# Altium PCB top_INA2180.PcbDoc (part 4 of 5)
Units mil, origin at the board's own origin, x right, y up, seen from the top; angles counter-clockwise.
Board outline 10480 x 5830 mil, 2 copper layers (Top Layer, Bottom Layer); 635 components, 633 nets, 1722 pads, 292 vias.
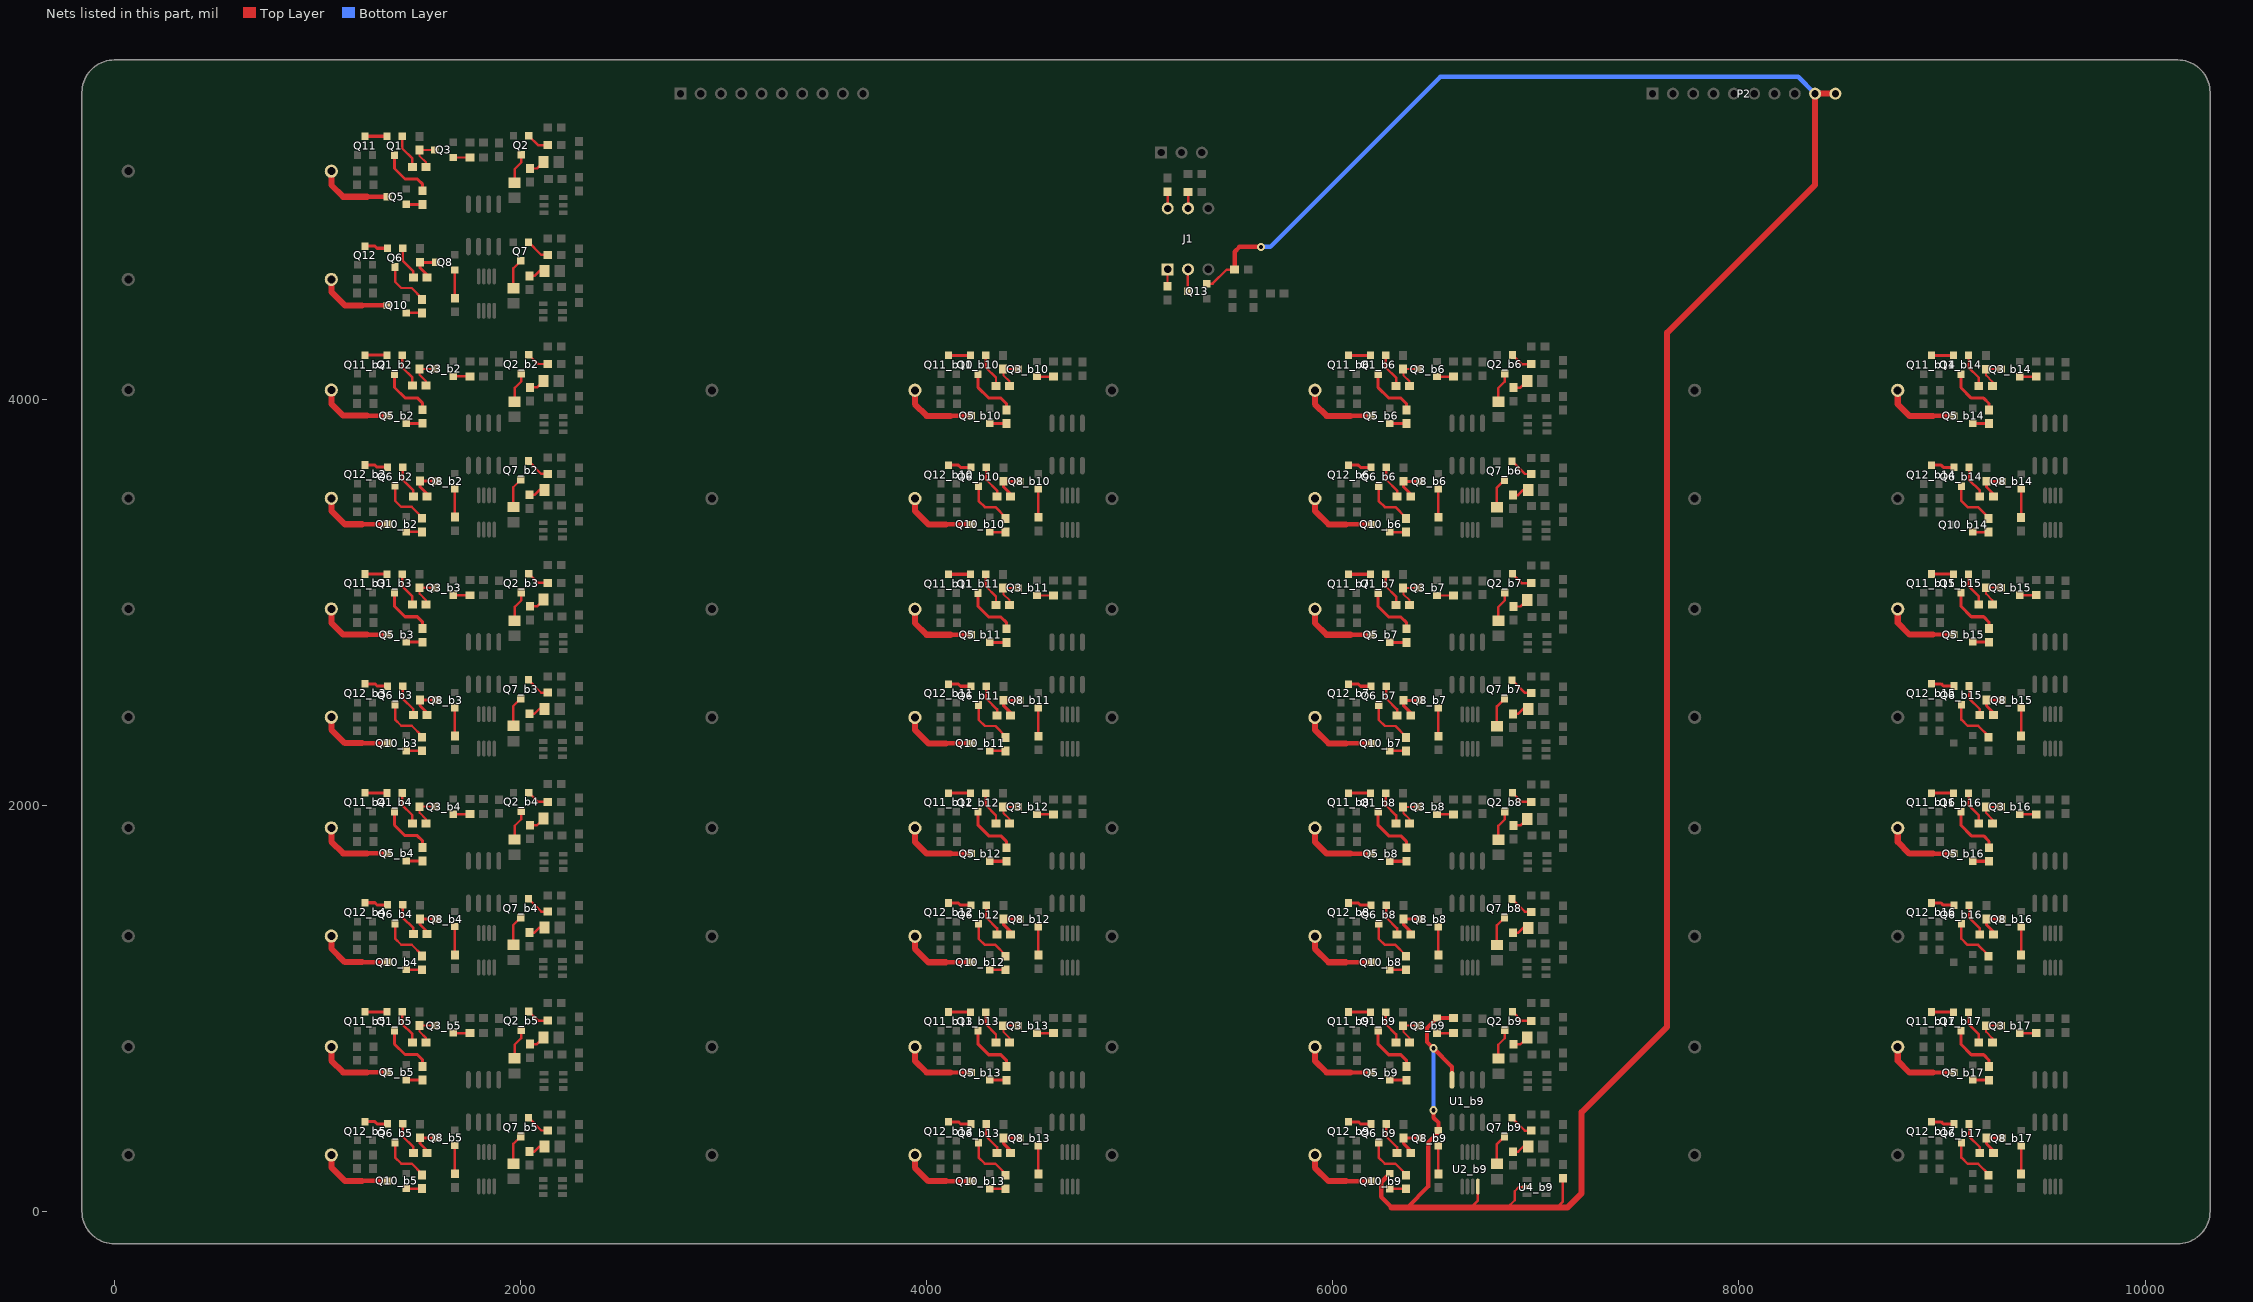
[diagram p4: the nets of this part, all layers, seen from the top]

## Via types
v1: diameter 20, hole 10, Top Layer to Bottom Layer, 235 vias
v2: diameter 40, hole 20, Top Layer to Bottom Layer, 53 vias
v3: diameter 125.98, hole 125.98, Top Layer to Bottom Layer, 4 vias

## Nets (pads, with @x,y where several pads share a name; then routed paths per layer and width w, separated by ;. In a path a pad name is that pad's centre, name@x,y a point inside that pad or via, vN(x,y) a via of type N, cw(c..) or ccw(c..) an arc to the next point about the centre after c; other vN are vias at no path point) (continued)
IN_C8: P2.9 P2.10 Q3_b9.2 Q8_b9.2 Q10_b9.2 Q13.2 R12_b9.1 R24_b9.1 R28.1 U1_b9.4 U2_b9.4 U4_b9.2 | length 12409.3
  Top Layer w12: Q13.2@5378.25,4568.48 5408.39,4568.48 5476.99,4637.07 R28.1@5516.53,4637.07 ; 6680.79,19.54 6714.24,53 U2_b9.4@6714.24,121.96 ; 6861,19.54 6896,54.54 6896,99 6916,119 U4_b9.2@6955.76,119 ; 7104.17,19.54 7132.86,48.22 R24_b9.1@7132.86,163.14
  Top Layer w20: 6370.86,22.14 6469.86,121.14 6469.86,338.17 6520.12,388.43 Q8_b9.2@6520.12,398.01 6520.12,436.35 6495.72,460.74 v2(6495.72,497.61) ; U1_b9.4@6586.86,647.1 6586.86,711.88 v2(6495.72,803.01) 6464.72,834.01 6464.72,903.15 Q3_b9.2@6512.98,951.41 R12_b9.1@6593.86,951.41
  Top Layer w22: R28.1@5516.53,4637.07 5516.53,4725.61 5539.99,4749.07 v2(5645.99,4749.07) ; Q10_b9.2@6281.12,186.01 6237.86,142.75 6237.86,70.61 6288.93,19.54
  Top Layer w30: 6288.93,19.54 6680.79,19.54 6861,19.54 7104.17,19.54 7155.99,19.54 7225,88.55 7225,488.08 7645.99,909.07 7645.99,4326.7 8374.99,5055.7 8374.99,5504.07 P2.10@8474.99,5504.07
  Bottom Layer w20: v2(6495.72,497.61) v2(6495.72,803.01)
  Bottom Layer w22: v2(5645.99,4749.07) 5691.99,4749.07 6529.99,5587.07 8291.99,5587.07 P2.9@8374.99,5504.07
NetD1_1: D1.1 Q2.3 | length 151.6
  Top Layer w12: D1.1@1971,5065.4 1971,5133 2003,5165 Q2.3@2003,5203.74
NetD1_b2_1: D1_b2.1 Q2_b2.3 | length 151.6
  Top Layer w12: D1_b2.1@1971.01,3987.33 1971.01,4054.93 2003.01,4086.93 Q2_b2.3@2003.01,4125.67
NetD1_b3_1: D1_b3.1 Q2_b3.3 | length 151.6
  Top Layer w12: D1_b3.1@1971.01,2909.33 1971.01,2976.93 2003.01,3008.93 Q2_b3.3@2003.01,3047.67
NetD1_b4_1: D1_b4.1 Q2_b4.3 | length 151.6
  Top Layer w12: D1_b4.1@1971.01,1831.33 1971.01,1898.93 2003.01,1930.93 Q2_b4.3@2003.01,1969.67
NetD1_b5_1: D1_b5.1 Q2_b5.3 | length 151.6
  Top Layer w12: D1_b5.1@1971.01,753.33 1971.01,820.93 2003.01,852.93 Q2_b5.3@2003.01,891.67
NetD1_b6_1: D1_b6.1 Q2_b6.3 | length 151.6
  Top Layer w12: D1_b6.1@6815,3986.4 6815,4054 6847,4086 Q2_b6.3@6847,4124.74
NetD1_b7_1: D1_b7.1 Q2_b7.3 | length 151.6
  Top Layer w12: D1_b7.1@6815,2908.4 6815,2976 6847,3008 Q2_b7.3@6847,3046.74
NetD1_b8_1: D1_b8.1 Q2_b8.3 | length 151.6
  Top Layer w12: D1_b8.1@6815,1830.4 6815,1898 6847,1930 Q2_b8.3@6847,1968.74
NetD1_b9_1: D1_b9.1 Q2_b9.3 | length 151.6
  Top Layer w12: D1_b9.1@6815,752.4 6815,820 6847,852 Q2_b9.3@6847,890.74
NetD1_b10_1: 
NetD1_b11_1: 
NetD1_b12_1: 
NetD1_b13_1: 
NetD1_b14_1: 
NetD1_b15_1: 
NetD1_b16_1: 
NetD1_b17_1: 
NetD2_1: D2.1 Q7.3 | length 149.7
  Top Layer w12: D2.1@1964,4546.4 1964,4643.74 Q7.3@2001,4680.74
NetD2_b2_1: D2_b2.1 Q7_b2.3 | length 149.7
  Top Layer w12: D2_b2.1@1964.01,3468.33 1964.01,3565.67 Q7_b2.3@2001.01,3602.67
NetD2_b3_1: D2_b3.1 Q7_b3.3 | length 149.7
  Top Layer w12: D2_b3.1@1964.01,2390.33 1964.01,2487.67 Q7_b3.3@2001.01,2524.67
NetD2_b4_1: D2_b4.1 Q7_b4.3 | length 149.7
  Top Layer w12: D2_b4.1@1964.01,1312.33 1964.01,1409.67 Q7_b4.3@2001.01,1446.67
NetD2_b5_1: D2_b5.1 Q7_b5.3 | length 149.7
  Top Layer w12: D2_b5.1@1964.01,234.33 1964.01,331.67 Q7_b5.3@2001.01,368.67
NetD2_b6_1: D2_b6.1 Q7_b6.3 | length 149.7
  Top Layer w12: D2_b6.1@6808,3467.4 6808,3564.74 Q7_b6.3@6845,3601.74
NetD2_b7_1: D2_b7.1 Q7_b7.3 | length 149.7
  Top Layer w12: D2_b7.1@6808,2389.4 6808,2486.74 Q7_b7.3@6845,2523.74
NetD2_b8_1: D2_b8.1 Q7_b8.3 | length 149.7
  Top Layer w12: D2_b8.1@6808,1311.4 6808,1408.74 Q7_b8.3@6845,1445.74
NetD2_b9_1: D2_b9.1 Q7_b9.3 | length 149.7
  Top Layer w12: D2_b9.1@6808,233.4 6808,330.74 Q7_b9.3@6845,367.74
NetD2_b10_1: 
NetD2_b11_1: 
NetD2_b12_1: 
NetD2_b13_1: 
NetD2_b14_1: 
NetD2_b15_1: 
NetD2_b16_1: 
NetD2_b17_1: 
NetD3_1: D3.1 R52.2 | length 79.1
  Top Layer w12: R52.2@2047,5135.46 2080.06,5135.46 D3.1@2112.6,5168
NetD3_b2_1: D3_b2.1 R52_b2.2 | length 79.1
  Top Layer w12: R52_b2.2@2047.01,4057.39 2080.07,4057.39 D3_b2.1@2112.61,4089.93
NetD3_b3_1: D3_b3.1 R52_b3.2 | length 79.1
  Top Layer w12: R52_b3.2@2047.01,2979.39 2080.07,2979.39 D3_b3.1@2112.61,3011.93
NetD3_b4_1: D3_b4.1 R52_b4.2 | length 79.1
  Top Layer w12: R52_b4.2@2047.01,1901.39 2080.07,1901.39 D3_b4.1@2112.61,1933.93
NetD3_b5_1: D3_b5.1 R52_b5.2 | length 79.1
  Top Layer w12: R52_b5.2@2047.01,823.39 2080.07,823.39 D3_b5.1@2112.61,855.93
NetD3_b6_1: D3_b6.1 R52_b6.2 | length 79.1
  Top Layer w12: R52_b6.2@6891,4056.46 6924.06,4056.46 D3_b6.1@6956.6,4089
NetD3_b7_1: D3_b7.1 R52_b7.2 | length 79.1
  Top Layer w12: R52_b7.2@6891,2978.46 6924.06,2978.46 D3_b7.1@6956.6,3011
NetD3_b8_1: D3_b8.1 R52_b8.2 | length 79.1
  Top Layer w12: R52_b8.2@6891,1900.46 6924.06,1900.46 D3_b8.1@6956.6,1933
NetD3_b9_1: D3_b9.1 R52_b9.2 | length 79.1
  Top Layer w12: R52_b9.2@6891,822.46 6924.06,822.46 D3_b9.1@6956.6,855
NetD3_b10_1: 
NetD3_b11_1: 
NetD3_b12_1: 
NetD3_b13_1: 
NetD3_b14_1: 
NetD3_b15_1: 
NetD3_b16_1: 
NetD3_b17_1: 
NetD4_1: D4.1 R54.2 | length 83.8
  Top Layer w12: R54.2@2044,4606.46 2068.46,4606.46 2093,4631 D4.1@2117.6,4631
NetD4_b2_1: D4_b2.1 R54_b2.2 | length 83.8
  Top Layer w12: R54_b2.2@2044.01,3528.39 2068.47,3528.39 2093.01,3552.93 D4_b2.1@2117.61,3552.93
NetD4_b3_1: D4_b3.1 R54_b3.2 | length 83.8
  Top Layer w12: R54_b3.2@2044.01,2450.39 2068.47,2450.39 2093.01,2474.93 D4_b3.1@2117.61,2474.93
NetD4_b4_1: D4_b4.1 R54_b4.2 | length 83.8
  Top Layer w12: R54_b4.2@2044.01,1372.39 2068.47,1372.39 2093.01,1396.93 D4_b4.1@2117.61,1396.93
NetD4_b5_1: D4_b5.1 R54_b5.2 | length 83.8
  Top Layer w12: R54_b5.2@2044.01,294.39 2068.47,294.39 2093.01,318.93 D4_b5.1@2117.61,318.93
NetD4_b6_1: D4_b6.1 R54_b6.2 | length 83.8
  Top Layer w12: R54_b6.2@6888,3527.46 6912.46,3527.46 6937,3552 D4_b6.1@6961.6,3552
NetD4_b7_1: D4_b7.1 R54_b7.2 | length 83.8
  Top Layer w12: R54_b7.2@6888,2449.46 6912.46,2449.46 6937,2474 D4_b7.1@6961.6,2474
NetD4_b8_1: D4_b8.1 R54_b8.2 | length 83.8
  Top Layer w12: R54_b8.2@6888,1371.46 6912.46,1371.46 6937,1396 D4_b8.1@6961.6,1396
NetD4_b9_1: D4_b9.1 R54_b9.2 | length 83.8
  Top Layer w12: R54_b9.2@6888,293.46 6912.46,293.46 6937,318 D4_b9.1@6961.6,318
NetD4_b10_1: 
NetD4_b11_1: 
NetD4_b12_1: 
NetD4_b13_1: 
NetD4_b14_1: 
NetD4_b15_1: 
NetD4_b16_1: 
NetD4_b17_1: 
NetJ1_1: J1.1 R25.2 | length 82.5
  Top Layer w12: R25.2@5185.99,4555.54 J1.1@5185.99,4637.99
NetJ1_2: J1.2 Q13.3 | length 106.7
  Top Layer w12: Q13.3@5285.73,4531.07 J1.2@5285.73,4637.73
NetJ1_5: J1.5 R27.1 | length 80.5
  Top Layer w12: J1.5@5287,4939 R27.1@5287,5019.46
NetJ1_6: J1.6 R26.1 | length 82.5
  Top Layer w12: J1.6@5187,4939 R26.1@5187,5021.54
NetQ1_1: Q1.1 R35.2 | length 171.2
  Top Layer w12: Q1.1@1416.8,5294.33 1416.8,5235.14 1467.39,5184.54 R35.2@1467.39,5144.07
NetQ1_2: Q1.2 Q11.3 | length 107.7
  Top Layer w15: Q11.3@1234.25,5294.33 Q1.2@1341.99,5294.33
NetQ1_3: Q1.3 R11.2 | length 268.8
  Top Layer w15: Q1.3@1379.39,5201.81 1379.39,5135.54 1430.86,5084.07 1491.25,5084.07 1517.99,5057.33 R11.2@1517.99,5025.8
NetQ1_b2_1: Q1_b2.1 R35_b2.2 | length 171.2
  Top Layer w12: Q1_b2.1@1416.8,4216.26 1416.8,4157.06 1467.4,4106.46 R35_b2.2@1467.4,4066
NetQ1_b2_2: Q1_b2.2 Q11_b2.3 | length 107.7
  Top Layer w15: Q11_b2.3@1234.26,4216.26 Q1_b2.2@1342,4216.26
NetQ1_b2_3: Q1_b2.3 R11_b2.2 | length 268.8
  Top Layer w15: Q1_b2.3@1379.4,4123.74 1379.4,4057.46 1430.87,4006 1491.26,4006 1518,3979.26 R11_b2.2@1518,3947.72
NetQ1_b3_1: Q1_b3.1 R35_b3.2 | length 171.2
  Top Layer w12: Q1_b3.1@1416.8,3138.26 1416.8,3079.06 1467.4,3028.46 R35_b3.2@1467.4,2988
NetQ1_b3_2: Q1_b3.2 Q11_b3.3 | length 107.7
  Top Layer w15: Q11_b3.3@1234.26,3138.26 Q1_b3.2@1342,3138.26
NetQ1_b3_3: Q1_b3.3 R11_b3.2 | length 268.8
  Top Layer w15: Q1_b3.3@1379.4,3045.74 1379.4,2979.46 1430.87,2928 1491.26,2928 1518,2901.26 R11_b3.2@1518,2869.72
NetQ1_b4_1: Q1_b4.1 R35_b4.2 | length 171.2
  Top Layer w12: Q1_b4.1@1416.8,2060.26 1416.8,2001.06 1467.4,1950.46 R35_b4.2@1467.4,1910
NetQ1_b4_2: Q1_b4.2 Q11_b4.3 | length 107.7
  Top Layer w15: Q11_b4.3@1234.26,2060.26 Q1_b4.2@1342,2060.26
NetQ1_b4_3: Q1_b4.3 R11_b4.2 | length 268.8
  Top Layer w15: Q1_b4.3@1379.4,1967.74 1379.4,1901.46 1430.87,1850 1491.26,1850 1518,1823.26 R11_b4.2@1518,1791.72
NetQ1_b5_1: Q1_b5.1 R35_b5.2 | length 171.2
  Top Layer w12: Q1_b5.1@1416.8,982.26 1416.8,923.06 1467.4,872.46 R35_b5.2@1467.4,832
NetQ1_b5_2: Q1_b5.2 Q11_b5.3 | length 107.7
  Top Layer w15: Q11_b5.3@1234.26,982.26 Q1_b5.2@1342,982.26
NetQ1_b5_3: Q1_b5.3 R11_b5.2 | length 268.8
  Top Layer w15: Q1_b5.3@1379.4,889.74 1379.4,823.46 1430.87,772 1491.26,772 1518,745.26 R11_b5.2@1518,713.72
NetQ1_b6_1: Q1_b6.1 R35_b6.2 | length 171.2
  Top Layer w12: Q1_b6.1@6260.8,4215.33 6260.8,4156.14 6311.39,4105.54 R35_b6.2@6311.39,4065.07
NetQ1_b6_2: Q1_b6.2 Q11_b6.3 | length 107.7
  Top Layer w15: Q11_b6.3@6078.25,4215.33 Q1_b6.2@6185.99,4215.33
NetQ1_b6_3: Q1_b6.3 R11_b6.2 | length 268.8
  Top Layer w15: Q1_b6.3@6223.39,4122.81 6223.39,4056.54 6274.86,4005.07 6335.25,4005.07 6361.99,3978.33 R11_b6.2@6361.99,3946.8
NetQ1_b7_1: Q1_b7.1 R35_b7.2 | length 171.2
  Top Layer w12: Q1_b7.1@6260.8,3137.33 6260.8,3078.14 6311.39,3027.54 R35_b7.2@6311.39,2987.07
NetQ1_b7_2: Q1_b7.2 Q11_b7.3 | length 107.7
  Top Layer w15: Q11_b7.3@6078.25,3137.33 Q1_b7.2@6185.99,3137.33
NetQ1_b7_3: Q1_b7.3 R11_b7.2 | length 268.8
  Top Layer w15: Q1_b7.3@6223.39,3044.81 6223.39,2978.54 6274.86,2927.07 6335.25,2927.07 6361.99,2900.33 R11_b7.2@6361.99,2868.8
NetQ1_b8_1: Q1_b8.1 R35_b8.2 | length 171.2
  Top Layer w12: Q1_b8.1@6260.8,2059.33 6260.8,2000.14 6311.39,1949.54 R35_b8.2@6311.39,1909.07
NetQ1_b8_2: Q1_b8.2 Q11_b8.3 | length 107.7
  Top Layer w15: Q11_b8.3@6078.25,2059.33 Q1_b8.2@6185.99,2059.33
NetQ1_b8_3: Q1_b8.3 R11_b8.2 | length 268.8
  Top Layer w15: Q1_b8.3@6223.39,1966.81 6223.39,1900.54 6274.86,1849.07 6335.25,1849.07 6361.99,1822.33 R11_b8.2@6361.99,1790.8
NetQ1_b9_1: Q1_b9.1 R35_b9.2 | length 171.2
  Top Layer w12: Q1_b9.1@6260.8,981.33 6260.8,922.14 6311.39,871.54 R35_b9.2@6311.39,831.07
NetQ1_b9_2: Q1_b9.2 Q11_b9.3 | length 107.7
  Top Layer w15: Q11_b9.3@6078.25,981.33 Q1_b9.2@6185.99,981.33
NetQ1_b9_3: Q1_b9.3 R11_b9.2 | length 268.8
  Top Layer w15: Q1_b9.3@6223.39,888.81 6223.39,822.54 6274.86,771.07 6335.25,771.07 6361.99,744.33 R11_b9.2@6361.99,712.8
NetQ1_b10_1: Q1_b10.1 R35_b10.2 | length 171.2
  Top Layer w12: Q1_b10.1@4290.8,4215.33 4290.8,4156.14 4341.39,4105.54 R35_b10.2@4341.39,4065.07
NetQ1_b10_2: Q1_b10.2 Q11_b10.3 | length 107.7
  Top Layer w15: Q11_b10.3@4108.25,4215.33 Q1_b10.2@4215.99,4215.33
NetQ1_b10_3: Q1_b10.3 R11_b10.2 | length 268.8
  Top Layer w15: Q1_b10.3@4253.39,4122.81 4253.39,4056.54 4304.86,4005.07 4365.25,4005.07 4391.99,3978.33 R11_b10.2@4391.99,3946.8
NetQ1_b11_1: Q1_b11.1 R35_b11.2 | length 171.2
  Top Layer w12: Q1_b11.1@4290.8,3137.33 4290.8,3078.14 4341.39,3027.54 R35_b11.2@4341.39,2987.07
NetQ1_b11_2: Q1_b11.2 Q11_b11.3 | length 107.7
  Top Layer w15: Q11_b11.3@4108.25,3137.33 Q1_b11.2@4215.99,3137.33
NetQ1_b11_3: Q1_b11.3 R11_b11.2 | length 268.8
  Top Layer w15: Q1_b11.3@4253.39,3044.81 4253.39,2978.54 4304.86,2927.07 4365.25,2927.07 4391.99,2900.33 R11_b11.2@4391.99,2868.8
NetQ1_b12_1: Q1_b12.1 R35_b12.2 | length 171.2
  Top Layer w12: Q1_b12.1@4290.8,2059.33 4290.8,2000.14 4341.39,1949.54 R35_b12.2@4341.39,1909.07
NetQ1_b12_2: Q1_b12.2 Q11_b12.3 | length 107.7
  Top Layer w15: Q11_b12.3@4108.25,2059.33 Q1_b12.2@4215.99,2059.33
NetQ1_b12_3: Q1_b12.3 R11_b12.2 | length 268.8
  Top Layer w15: Q1_b12.3@4253.39,1966.81 4253.39,1900.54 4304.86,1849.07 4365.25,1849.07 4391.99,1822.33 R11_b12.2@4391.99,1790.8
NetQ1_b13_1: Q1_b13.1 R35_b13.2 | length 171.2
  Top Layer w12: Q1_b13.1@4290.8,981.33 4290.8,922.14 4341.39,871.54 R35_b13.2@4341.39,831.07
NetQ1_b13_2: Q1_b13.2 Q11_b13.3 | length 107.7
  Top Layer w15: Q11_b13.3@4108.25,981.33 Q1_b13.2@4215.99,981.33
NetQ1_b13_3: Q1_b13.3 R11_b13.2 | length 268.8
  Top Layer w15: Q1_b13.3@4253.39,888.81 4253.39,822.54 4304.86,771.07 4365.25,771.07 4391.99,744.33 R11_b13.2@4391.99,712.8
NetQ1_b14_1: Q1_b14.1 R35_b14.2 | length 171.2
  Top Layer w12: Q1_b14.1@9130.8,4215.07 9130.8,4155.88 9181.39,4105.28 R35_b14.2@9181.39,4064.81
NetQ1_b14_2: Q1_b14.2 Q11_b14.3 | length 107.7
  Top Layer w15: Q11_b14.3@8948.25,4215.07 Q1_b14.2@9055.99,4215.07
NetQ1_b14_3: Q1_b14.3 R11_b14.2 | length 268.8
  Top Layer w15: Q1_b14.3@9093.39,4122.55 9093.39,4056.28 9144.86,4004.81 9205.25,4004.81 9231.99,3978.07 R11_b14.2@9231.99,3946.54
NetQ1_b15_1: Q1_b15.1 R35_b15.2 | length 171.2
  Top Layer w12: Q1_b15.1@9130.8,3138.33 9130.8,3079.14 9181.39,3028.54 R35_b15.2@9181.39,2988.07
NetQ1_b15_2: Q1_b15.2 Q11_b15.3 | length 107.7
  Top Layer w15: Q11_b15.3@8948.25,3138.33 Q1_b15.2@9055.99,3138.33
NetQ1_b15_3: Q1_b15.3 R11_b15.2 | length 268.8
  Top Layer w15: Q1_b15.3@9093.39,3045.81 9093.39,2979.54 9144.86,2928.07 9205.25,2928.07 9231.99,2901.33 R11_b15.2@9231.99,2869.8
NetQ1_b16_1: Q1_b16.1 R35_b16.2 | length 171.2
  Top Layer w12: Q1_b16.1@9130.8,2059.33 9130.8,2000.14 9181.39,1949.54 R35_b16.2@9181.39,1909.07
NetQ1_b16_2: Q1_b16.2 Q11_b16.3 | length 107.7
  Top Layer w15: Q11_b16.3@8948.25,2059.33 Q1_b16.2@9055.99,2059.33
NetQ1_b16_3: Q1_b16.3 R11_b16.2 | length 268.8
  Top Layer w15: Q1_b16.3@9093.39,1966.81 9093.39,1900.54 9144.86,1849.07 9205.25,1849.07 9231.99,1822.33 R11_b16.2@9231.99,1790.8
NetQ1_b17_1: Q1_b17.1 R35_b17.2 | length 171.2
  Top Layer w12: Q1_b17.1@9130.8,981.33 9130.8,922.14 9181.39,871.54 R35_b17.2@9181.39,831.07
NetQ1_b17_2: Q1_b17.2 Q11_b17.3 | length 107.7
  Top Layer w15: Q11_b17.3@8948.25,981.33 Q1_b17.2@9055.99,981.33
NetQ1_b17_3: Q1_b17.3 R11_b17.2 | length 268.8
  Top Layer w15: Q1_b17.3@9093.39,888.81 9093.39,822.54 9144.86,771.07 9205.25,771.07 9231.99,744.33 R11_b17.2@9231.99,712.8
NetQ2_1: Q2.1 R32.2 | length 111.9
  Top Layer w12: Q2.1@2040.4,5296.26 2085.66,5251 R32.2@2133.54,5251
NetQ2_b2_1: Q2_b2.1 R32_b2.2 | length 111.9
  Top Layer w12: Q2_b2.1@2040.41,4218.19 2085.67,4172.93 R32_b2.2@2133.54,4172.93
NetQ2_b3_1: Q2_b3.1 R32_b3.2 | length 111.9
  Top Layer w12: Q2_b3.1@2040.41,3140.19 2085.67,3094.93 R32_b3.2@2133.54,3094.93
NetQ2_b4_1: Q2_b4.1 R32_b4.2 | length 111.9
  Top Layer w12: Q2_b4.1@2040.41,2062.19 2085.67,2016.93 R32_b4.2@2133.54,2016.93
NetQ2_b5_1: Q2_b5.1 R32_b5.2 | length 111.9
  Top Layer w12: Q2_b5.1@2040.41,984.19 2085.67,938.93 R32_b5.2@2133.54,938.93
NetQ2_b6_1: Q2_b6.1 R32_b6.2 | length 111.9
  Top Layer w12: Q2_b6.1@6884.4,4217.26 6929.66,4172 R32_b6.2@6977.54,4172
NetQ2_b7_1: Q2_b7.1 R32_b7.2 | length 111.9
  Top Layer w12: Q2_b7.1@6884.4,3139.26 6929.66,3094 R32_b7.2@6977.54,3094
NetQ2_b8_1: Q2_b8.1 R32_b8.2 | length 111.9
  Top Layer w12: Q2_b8.1@6884.4,2061.26 6929.66,2016 R32_b8.2@6977.54,2016
NetQ2_b9_1: Q2_b9.1 R32_b9.2 | length 111.9
  Top Layer w12: Q2_b9.1@6884.4,983.26 6929.66,938 R32_b9.2@6977.54,938
NetQ2_b10_1: 
NetQ2_b11_1: 
NetQ2_b12_1: 
NetQ2_b13_1: 
NetQ2_b14_1: 
NetQ2_b15_1: 
NetQ2_b16_1: 
NetQ2_b17_1: 
NetQ3_1: Q3.1 R10.1 | length 80.9
  Top Layer w12: Q3.1@1668.98,5189.61 R10.1@1749.86,5189.61
NetQ3_3: Q3.3 R6.1 R35.1 | length 169
  Top Layer w10: R35.1@1534.32,5144.07 1534.32,5165.61 1503.26,5196.67 1503.26,5227.01 Q3.3@1576.46,5227.01
NetQ3_b2_1: Q3_b2.1 R10_b2.1 | length 80.9
  Top Layer w12: Q3_b2.1@1668.99,4111.54 R10_b2.1@1749.87,4111.54
NetQ3_b2_3: Q3_b2.3 R6_b2.1 R35_b2.1 | length 169
  Top Layer w10: R35_b2.1@1534.33,4066 1534.33,4087.54 1503.27,4118.6 1503.27,4148.94 Q3_b2.3@1576.47,4148.94
NetQ3_b3_1: Q3_b3.1 R10_b3.1 | length 80.9
  Top Layer w12: Q3_b3.1@1668.99,3033.54 R10_b3.1@1749.87,3033.54
NetQ3_b3_3: Q3_b3.3 R6_b3.1 R35_b3.1 | length 169
  Top Layer w10: R35_b3.1@1534.33,2988 1534.33,3009.54 1503.27,3040.6 1503.27,3070.94 Q3_b3.3@1576.47,3070.94
NetQ3_b4_1: Q3_b4.1 R10_b4.1 | length 80.9
  Top Layer w12: Q3_b4.1@1668.99,1955.54 R10_b4.1@1749.87,1955.54
NetQ3_b4_3: Q3_b4.3 R6_b4.1 R35_b4.1 | length 169
  Top Layer w10: R35_b4.1@1534.33,1910 1534.33,1931.54 1503.27,1962.6 1503.27,1992.94 Q3_b4.3@1576.47,1992.94
NetQ3_b5_1: Q3_b5.1 R10_b5.1 | length 80.9
  Top Layer w12: Q3_b5.1@1668.99,877.54 R10_b5.1@1749.87,877.54
NetQ3_b5_3: Q3_b5.3 R6_b5.1 R35_b5.1 | length 169
  Top Layer w10: R35_b5.1@1534.33,832 1534.33,853.54 1503.27,884.6 1503.27,914.94 Q3_b5.3@1576.47,914.94
NetQ3_b6_1: Q3_b6.1 R10_b6.1 | length 80.9
  Top Layer w12: Q3_b6.1@6512.98,4110.61 R10_b6.1@6593.86,4110.61
NetQ3_b6_3: Q3_b6.3 R6_b6.1 R35_b6.1 | length 169
  Top Layer w10: R35_b6.1@6378.32,4065.07 6378.32,4086.61 6347.26,4117.67 6347.26,4148.01 Q3_b6.3@6420.46,4148.01
NetQ3_b7_1: Q3_b7.1 R10_b7.1 | length 80.9
  Top Layer w12: Q3_b7.1@6512.98,3032.61 R10_b7.1@6593.86,3032.61
NetQ3_b7_3: Q3_b7.3 R6_b7.1 R35_b7.1 | length 169
  Top Layer w10: R35_b7.1@6378.32,2987.07 6378.32,3008.61 6347.26,3039.67 6347.26,3070.01 Q3_b7.3@6420.46,3070.01
NetQ3_b8_1: Q3_b8.1 R10_b8.1 | length 80.9
  Top Layer w12: Q3_b8.1@6512.98,1954.61 R10_b8.1@6593.86,1954.61
NetQ3_b8_3: Q3_b8.3 R6_b8.1 R35_b8.1 | length 169
  Top Layer w10: R35_b8.1@6378.32,1909.07 6378.32,1930.61 6347.26,1961.67 6347.26,1992.01 Q3_b8.3@6420.46,1992.01
NetQ3_b9_1: Q3_b9.1 R10_b9.1 | length 80.9
  Top Layer w12: Q3_b9.1@6512.98,876.61 R10_b9.1@6593.86,876.61
NetQ3_b9_3: Q3_b9.3 R6_b9.1 R35_b9.1 | length 169
  Top Layer w10: R35_b9.1@6378.32,831.07 6378.32,852.61 6347.26,883.67 6347.26,914.01 Q3_b9.3@6420.46,914.01
NetQ3_b10_1: Q3_b10.1 R10_b10.1 | length 80.9
  Top Layer w12: Q3_b10.1@4542.98,4110.61 R10_b10.1@4623.86,4110.61
NetQ3_b10_3: Q3_b10.3 R6_b10.1 R35_b10.1 | length 169
  Top Layer w10: R35_b10.1@4408.32,4065.07 4408.32,4086.61 4377.26,4117.67 4377.26,4148.01 Q3_b10.3@4450.46,4148.01
NetQ3_b11_1: Q3_b11.1 R10_b11.1 | length 80.9
  Top Layer w12: Q3_b11.1@4542.98,3032.61 R10_b11.1@4623.86,3032.61
NetQ3_b11_3: Q3_b11.3 R6_b11.1 R35_b11.1 | length 169
  Top Layer w10: R35_b11.1@4408.32,2987.07 4408.32,3008.61 4377.26,3039.67 4377.26,3070.01 Q3_b11.3@4450.46,3070.01
NetQ3_b12_1: Q3_b12.1 R10_b12.1 | length 80.9
  Top Layer w12: Q3_b12.1@4542.98,1954.61 R10_b12.1@4623.86,1954.61
NetQ3_b12_3: Q3_b12.3 R6_b12.1 R35_b12.1 | length 169
  Top Layer w10: R35_b12.1@4408.32,1909.07 4408.32,1930.61 4377.26,1961.67 4377.26,1992.01 Q3_b12.3@4450.46,1992.01
NetQ3_b13_1: Q3_b13.1 R10_b13.1 | length 80.9
  Top Layer w12: Q3_b13.1@4542.98,876.61 R10_b13.1@4623.86,876.61
NetQ3_b13_3: Q3_b13.3 R6_b13.1 R35_b13.1 | length 169
  Top Layer w10: R35_b13.1@4408.32,831.07 4408.32,852.61 4377.26,883.67 4377.26,914.01 Q3_b13.3@4450.46,914.01